# KiCad board volume-mixer.kicad_pcb
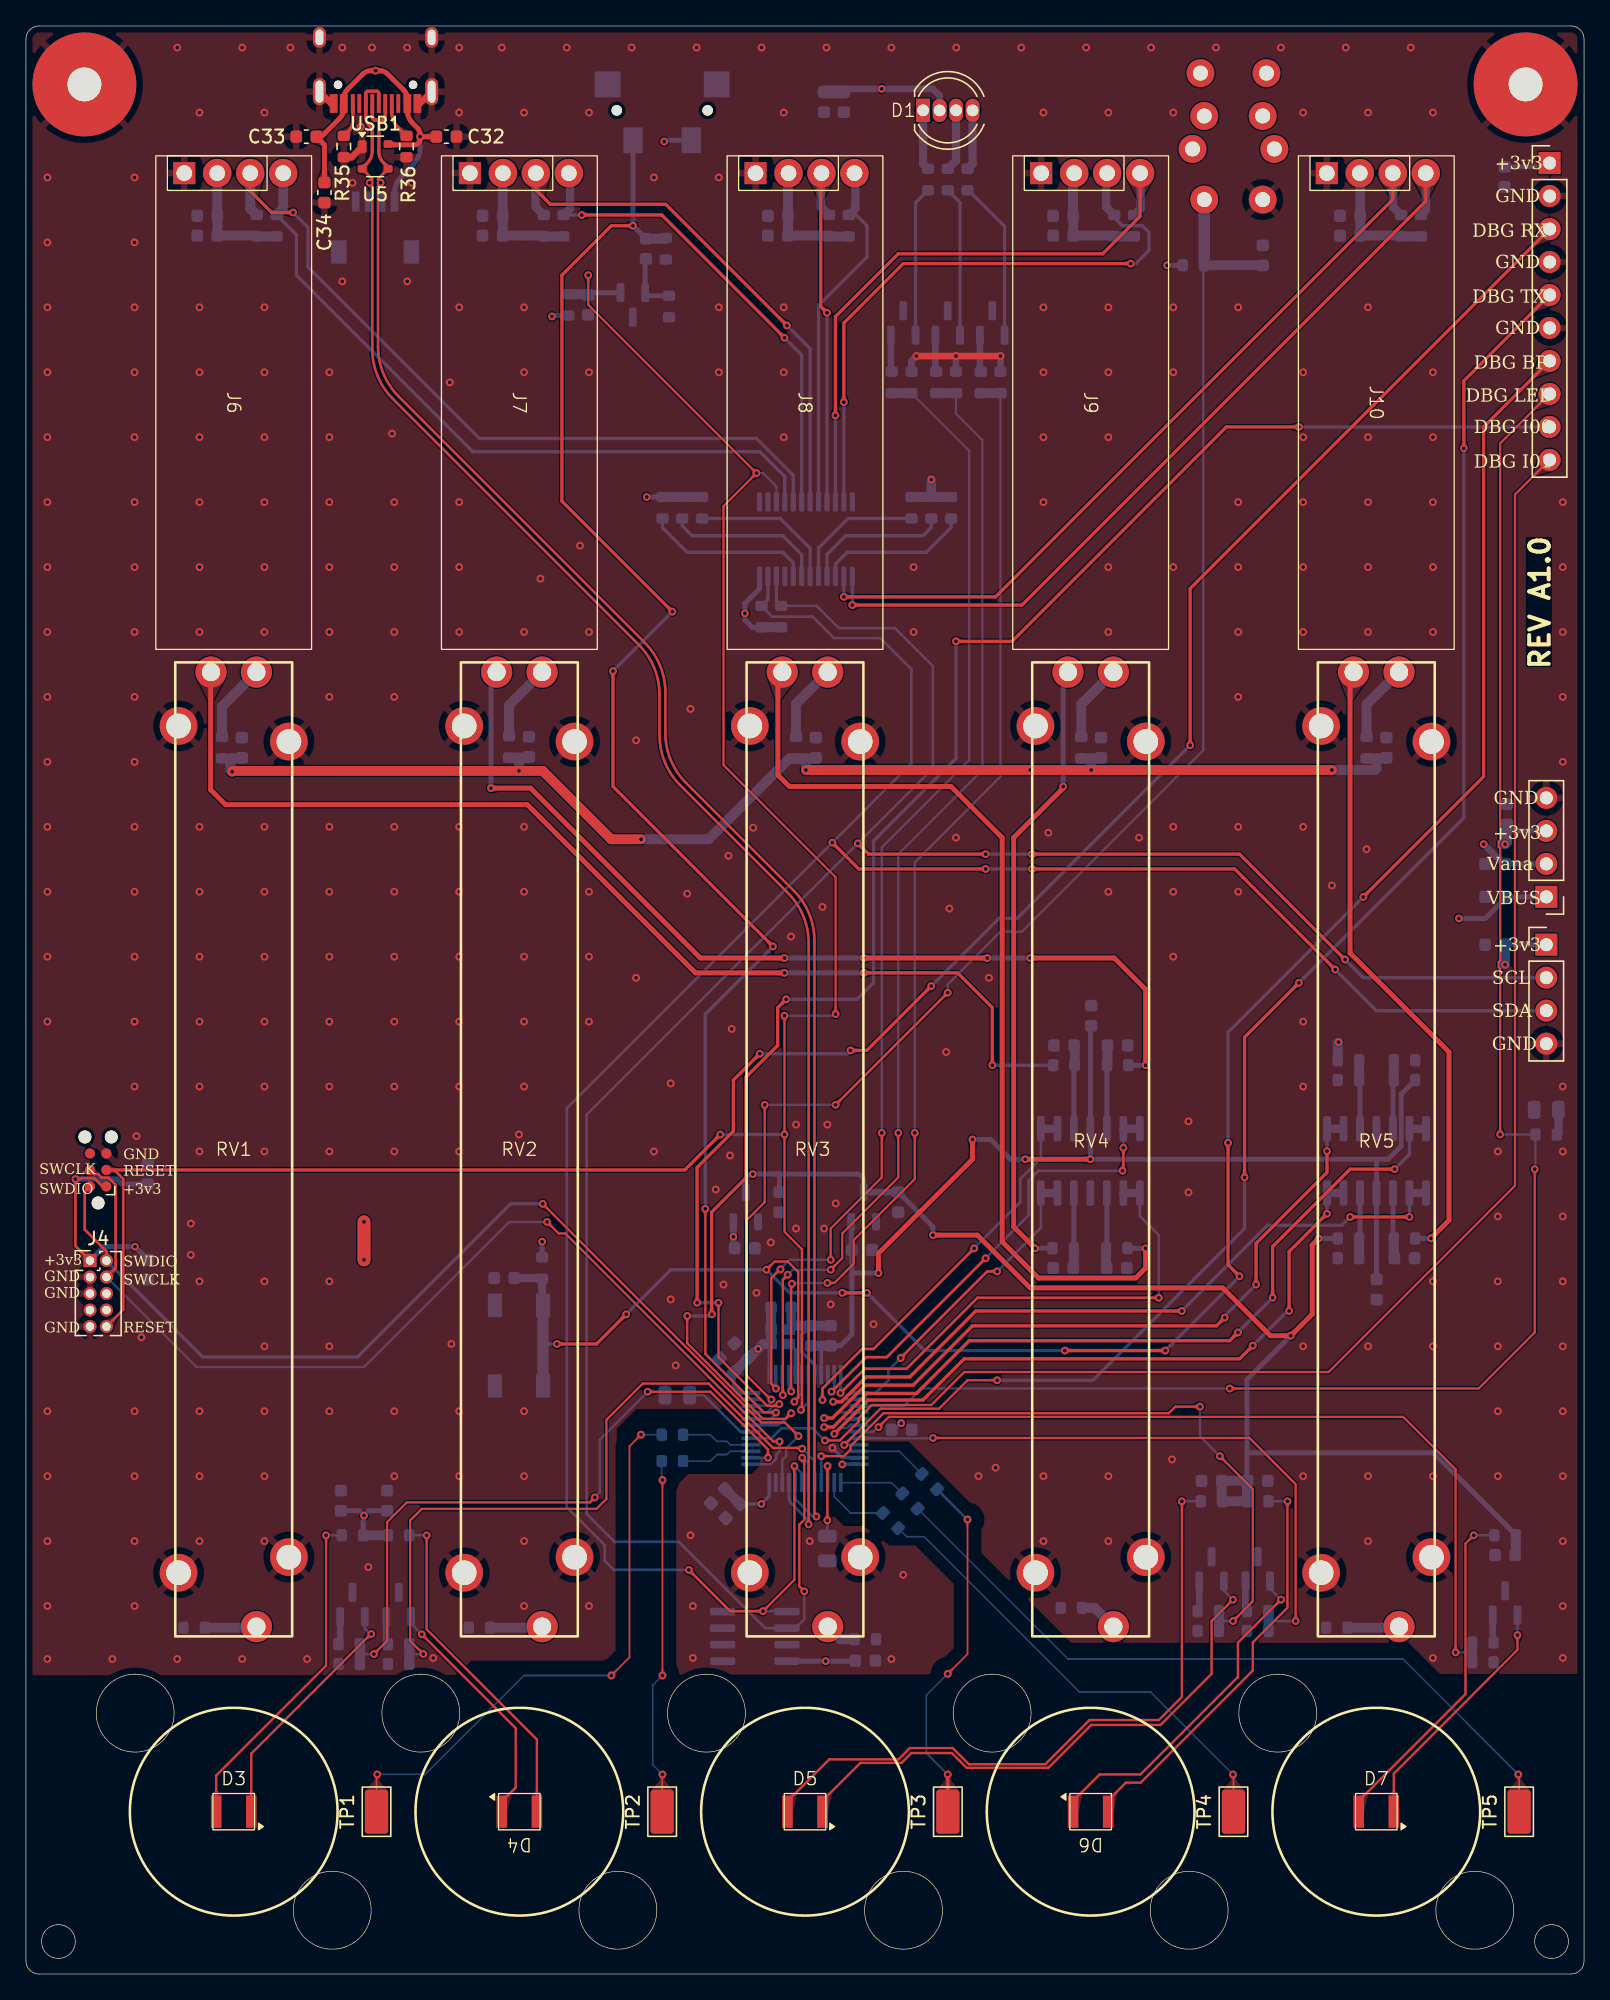
[diagram p0: board, top side]
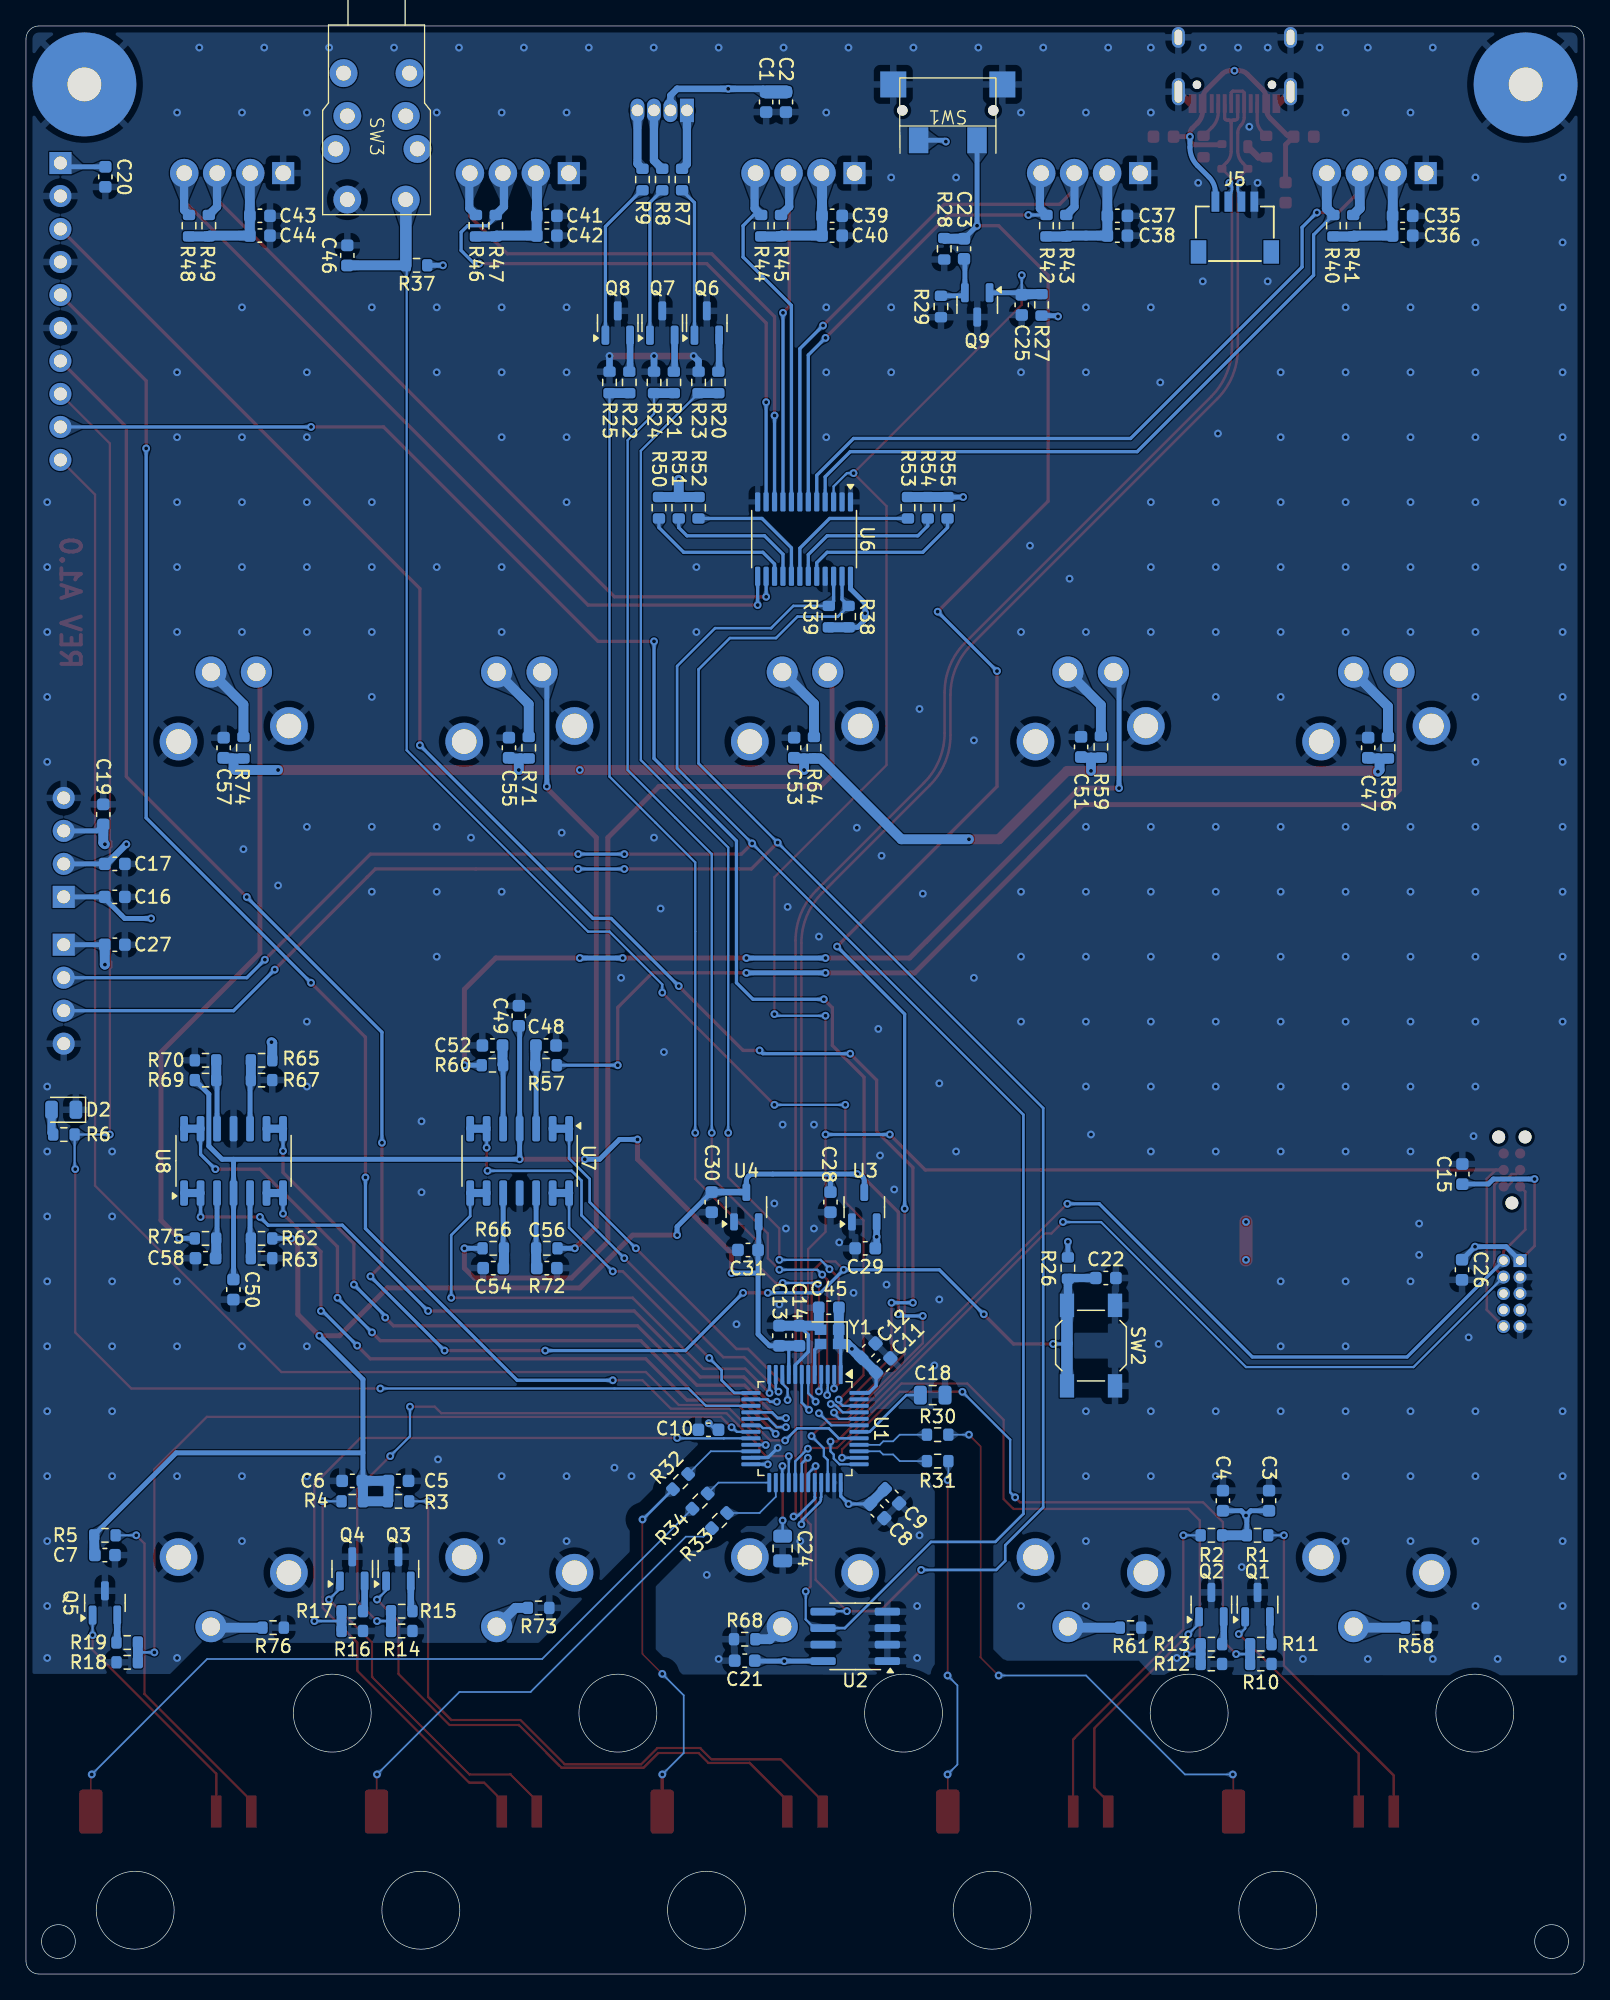
[diagram p1: board, bottom side, seen from below]

Outline 120 x 150 mm; copper layers: Top, In1.Cu, In2.Cu, Bottom. Coordinates in mm from the lower left corner of the outline.
Outline path: circle c2.5,2.5 r1.3 ; circle c8.41,20.09 r3 ; circle c23.59,4.91 r3 ; circle c30.41,20.09 r3 ; circle c45.59,4.91 r3 ; circle c52.41,20.09 r3 ; circle c67.59,4.91 r3 ; circle c74.41,20.09 r3 ; circle c89.59,4.91 r3 ; circle c96.41,20.09 r3 ; circle c111.59,4.91 r3 ; circle c117.5,2.5 r1.3 ; 0,149 arc(0.29,149.71) 1,150 119,150 arc(119.71,149.71) 120,149 120,1 arc(119.71,0.29) 119,0 1,0 arc(0.29,0.29) 0,1 0,149
Stack: Top 0.035mm / dielectric 0.1mm FR4 er 4.5 / In1.Cu 0.035mm / dielectric 1.24mm FR4 er 4.5 / In2.Cu 0.035mm / dielectric 0.1mm FR4 er 4.5 / Bottom 0.035mm

## Placement (name value [footprint] x y rotation side)
C1  100nF  [C_0603_1608Metric]  62.99 144.15 270 bottom
C2  100nF  [C_0603_1608Metric]  61.47 144.15 270 bottom
C3  100nF  [C_0603_1608Metric]  24.26 36.45 90 bottom
C4  100nF  [C_0603_1608Metric]  27.81 36.45 90 bottom
C5  100nF  [C_0603_1608Metric]  91.31 37.97 180 bottom
C6  100nF  [C_0603_1608Metric]  94.87 37.97 0 bottom
C7  100nF  [C_0603_1608Metric]  113.92 32.26 180 bottom
C8  4,7uF  [C_0603_1608Metric]  54.44 35.65 225 bottom
C9  100nF  [C_0603_1608Metric]  53.3 36.79 225 bottom
C10  100nF  [C_0603_1608Metric]  67.44 41.91 0 bottom
C11  100nF  [C_0603_1608Metric]  53.97 46.86 135 bottom
C12  100nF  [C_0603_1608Metric]  55.12 48.01 135 bottom
C13  10nF  [C_0603_1608Metric]  61.98 49.15 90 bottom
C14  1uF  [C_0603_1608Metric]  60.45 49.15 90 bottom
C15  100nF  [C_0603_1608Metric]  9.37 61.59 90 bottom
C16  100nF  [C_0603_1608Metric]  113.16 82.94 180 bottom
C17  100nF  [C_0603_1608Metric]  113.16 85.48 180 bottom
C18  47nF NP0  [C_0805_2012Metric]  50.16 44.58 180 bottom
C19  100nF  [C_0603_1608Metric]  114.05 89.29 90 bottom
C20  100nF  [C_0603_1608Metric]  113.89 138.38 270 bottom
C21  100nF  [C_0603_1608Metric]  64.64 24.13 0 bottom
C22  100nF  [C_0603_1608Metric]  36.83 53.59 180 bottom
C23  4,7uF  [C_0603_1608Metric]  47.75 132.84 270 bottom
C24  47nF NP0  [C_0805_2012Metric]  61.72 32.77 270 bottom
C25  470nF  [C_0603_1608Metric]  43.31 128.52 270 bottom
C26  100nF  [C_0603_1608Metric]  9.4 54.23 270 bottom
C27  100nF  [C_0603_1608Metric]  113.16 79.26 180 bottom
C28  2,2uF  [C_0603_1608Metric]  58.04 59.44 270 bottom
C29  2,2uF  [C_0603_1608Metric]  55.36 55.88 0 bottom
C30  2,2uF  [C_0603_1608Metric]  67.18 59.44 270 bottom
C31  2,2uF  [C_0603_1608Metric]  64.39 55.75 0 bottom
C32  100nF  [C_0603_1608Metric]  32.38 141.48 0 top
C33  100nF  [C_0603_1608Metric]  21.59 141.48 180 top
C34  100nF  [C_0603_1608Metric]  22.99 137.17 270 top
C35  100nF  [C_0603_1608Metric]  13.97 135.38 180 bottom
C36  100nF  [C_0603_1608Metric]  13.97 133.86 180 bottom
C37  100nF  [C_0603_1608Metric]  35.94 135.38 180 bottom
C38  100nF  [C_0603_1608Metric]  35.94 133.86 180 bottom
C39  100nF  [C_0603_1608Metric]  57.91 135.38 180 bottom
C40  100nF  [C_0603_1608Metric]  57.91 133.86 180 bottom
C41  100nF  [C_0603_1608Metric]  79.88 135.38 180 bottom
C42  100nF  [C_0603_1608Metric]  79.88 133.86 180 bottom
C43  100nF  [C_0603_1608Metric]  101.98 135.38 180 bottom
C44  100nF  [C_0603_1608Metric]  101.98 133.86 180 bottom
C45  47nF  [C_0603_1608Metric]  58.17 51.31 180 bottom
C46  100nF  [C_0603_1608Metric]  95.25 132.33 90 bottom
C47  100nF  [C_0603_1608Metric]  16.62 94.42 90 bottom
C48  680nF  [C_0603_1608Metric]  79.95 71.5 180 bottom
C49  100nF  [C_0603_1608Metric]  82.04 73.79 90 bottom
C50  100nF  [C_0603_1608Metric]  104.03 52.71 270 bottom
C51  100nF  [C_0603_1608Metric]  38.73 94.49 90 bottom
C52  680nF  [C_0603_1608Metric]  84.07 71.5 0 bottom
C53  100nF  [C_0603_1608Metric]  60.83 94.42 90 bottom
C54  680nF  [C_0603_1608Metric]  84.01 54.36 0 bottom
C55  100nF  [C_0603_1608Metric]  82.8 94.42 90 bottom
C56  680nF  [C_0603_1608Metric]  79.88 54.36 180 bottom
C57  100nF  [C_0603_1608Metric]  104.77 94.42 90 bottom
C58  680nF  [C_0603_1608Metric]  106.17 55.12 0 bottom
CON1  TC2030-IDC  [Tag-Connect_TC2030-IDC-NL_2x03_P1.27mm_Vertical]  5.56 61.91 90 top
D1  LED_ARGB  [led rgb C7371893]  71 143.5 0 top
D2  LED  [LED_0805_2012Metric]  117.09 66.55 0 bottom
D3  LED  [LED C516299]  16 12.5 0 top
D4  LED  [LED C516299]  38 12.5 180 top
D5  LED  [LED C516299]  60 12.5 0 top
D6  LED  [LED C516299]  82 12.5 180 top
D7  LED  [LED C516299]  104 12.5 0 top
H1  MountingHole_Pad  [Vis M2.5]  115.5 145.5 0 top
H2  MountingHole_Pad  [Vis M2.5]  4.5 145.5 0 top
J1  Conn_01x04_Pin  [PinHeader_1x04_P2.54mm_Vertical]  117.09 82.94 180 top
J2  Conn_01x10_Pin  [PinHeader_1x10_P2.54mm_Vertical]  117.35 139.45 0 top
J3  Conn_01x04_Pin  [PinHeader_1x04_P2.54mm_Vertical]  117.09 79.26 0 top
J4  Conn_01x10_Pin  [PinHeader_2x05_P1.27mm_Vertical]  4.93 54.94 0 top
J5  JST  [JST-SR-4]  26.89 131.7 180 bottom
J6  Conn_01x04_Pin  [Screen 0.91 I2C]  16 138.67 270 top
J7  Conn_01x04_Pin  [Screen 0.91 I2C]  38 138.67 270 top
J8  Conn_01x04_Pin  [Screen 0.91 I2C]  60 138.67 270 top
J9  Conn_01x04_Pin  [Screen 0.91 I2C]  82 138.67 270 top
J10  Conn_01x04_Pin  [Screen 0.91 I2C]  104 138.67 270 top
Q1  NMOS  [SOT-23]  25.15 28.45 90 bottom
Q2  NMOS  [SOT-23]  28.7 28.45 90 bottom
Q3  NMOS  [SOT-23]  91.31 31.19 90 bottom
Q4  NMOS  [SOT-23]  94.87 31.19 90 bottom
Q5  NMOS  [SOT-23]  113.92 28.57 90 bottom
Q6  NMOS  [SOT-23]  67.56 127.13 90 bottom
Q7  NMOS  [SOT-23]  70.99 127.13 90 bottom
Q8  NMOS  [SOT-23]  74.42 127.13 90 bottom
Q9  NMOS  [SOT-23]  46.74 128.52 270 bottom
R1  100  [R_0603_1608Metric]  25.15 33.78 180 bottom
R2  100  [R_0603_1608Metric]  28.7 33.78 0 bottom
R3  100  [R_0603_1608Metric]  91.31 36.4 180 bottom
R4  100  [R_0603_1608Metric]  94.87 36.4 0 bottom
R5  100  [R_0603_1608Metric]  113.92 33.78 180 bottom
R6  1k2  [R_0603_1608Metric]  117.08 64.64 180 bottom
R7  150  [R_0603_1608Metric]  69.47 138.18 90 bottom
R8  95  [R_0603_1608Metric]  70.99 138.18 90 bottom
R9  95  [R_0603_1608Metric]  72.52 138.18 90 bottom
R10  10K  [R_0603_1608Metric]  24.89 23.88 0 bottom
R11  100  [R_0603_1608Metric]  24.89 25.4 180 bottom
R12  10K  [R_0603_1608Metric]  28.7 23.88 0 bottom
R13  100  [R_0603_1608Metric]  28.7 25.4 180 bottom
R14  10K  [R_0603_1608Metric]  91.06 26.42 0 bottom
R15  100  [R_0603_1608Metric]  91.06 27.94 180 bottom
R16  10K  [R_0603_1608Metric]  94.87 26.42 0 bottom
R17  100  [R_0603_1608Metric]  94.87 27.94 180 bottom
R18  10K  [R_0603_1608Metric]  112.2 24 180 bottom
R19  100  [R_0603_1608Metric]  112.2 25.53 0 bottom
R20  100  [R_0603_1608Metric]  66.67 122.56 90 bottom
R21  100  [R_0603_1608Metric]  70.1 122.56 90 bottom
R22  100  [R_0603_1608Metric]  73.53 122.56 90 bottom
R23  10K  [R_0603_1608Metric]  68.2 122.56 270 bottom
R24  10K  [R_0603_1608Metric]  71.63 122.56 270 bottom
R25  10K  [R_0603_1608Metric]  75.06 122.56 270 bottom
R26  10k  [R_0603_1608Metric]  39.75 54.36 270 bottom
R27  10K  [R_0603_1608Metric]  41.78 128.52 90 bottom
R28  10K  [R_0603_1608Metric]  49.28 132.84 270 bottom
R29  100k  [R_0603_1608Metric]  49.53 128.4 270 bottom
R30  10k  [R_0603_1608Metric]  49.78 41.53 0 bottom
R31  10k  [R_0603_1608Metric]  49.78 39.5 0 bottom
R32  10k  [R_0603_1608Metric]  69.58 37.92 135 bottom
R33  10k  [R_0603_1608Metric]  66.58 34.92 135 bottom
R34  10k  [R_0603_1608Metric]  68.08 36.42 135 bottom
R35  5,1k  [R_0603_1608Metric]  24.48 140.72 270 top
R36  5,1k  [R_0603_1608Metric]  29.31 140.72 270 top
R37  10k  [R_0603_1608Metric]  89.92 131.57 0 bottom
R38  4,7K  [R_0603_1608Metric]  56.64 104.52 90 bottom
R39  4,7K  [R_0603_1608Metric]  58.17 104.52 90 bottom
R40  4,7K  [R_0603_1608Metric]  19.3 134.62 90 bottom
R41  4,7K  [R_0603_1608Metric]  17.78 134.62 90 bottom
R42  4,7K  [R_0603_1608Metric]  41.4 134.62 90 bottom
R43  4,7K  [R_0603_1608Metric]  39.88 134.62 90 bottom
R44  4,7K  [R_0603_1608Metric]  63.37 134.62 90 bottom
R45  4,7K  [R_0603_1608Metric]  61.85 134.62 90 bottom
R46  4,7K  [R_0603_1608Metric]  85.34 134.62 90 bottom
R47  4,7K  [R_0603_1608Metric]  83.82 134.62 90 bottom
R48  4,7K  [R_0603_1608Metric]  107.44 134.62 90 bottom
R49  4,7K  [R_0603_1608Metric]  105.92 134.62 90 bottom
R50  4,7K  [R_0603_1608Metric]  71.25 112.9 270 bottom
R51  4,7K  [R_0603_1608Metric]  69.72 112.9 270 bottom
R52  4,7K  [R_0603_1608Metric]  68.2 112.9 270 bottom
R53  4,7K  [R_0603_1608Metric]  52.07 112.9 270 bottom
R54  4,7K  [R_0603_1608Metric]  50.55 112.9 270 bottom
R55  4,7K  [R_0603_1608Metric]  49.02 112.9 270 bottom
R56  2K  [R_0603_1608Metric]  15.1 94.42 270 bottom
R57  20K  [R_0603_1608Metric]  79.95 69.98 0 bottom
R58  2K  [R_0603_1608Metric]  12.95 26.67 0 bottom
R59  2K  [R_0603_1608Metric]  37.21 94.49 270 bottom
R60  20K  [R_0603_1608Metric]  84.07 69.98 180 bottom
R61  2K  [R_0603_1608Metric]  34.92 26.67 0 bottom
R62  10k  [R_0603_1608Metric]  101.85 56.64 0 bottom
R63  10k  [R_0603_1608Metric]  101.85 55.12 180 bottom
R64  2K  [R_0603_1608Metric]  59.31 94.42 270 bottom
R65  10k  [R_0603_1608Metric]  101.85 70.36 0 bottom
R66  20K  [R_0603_1608Metric]  84.01 55.88 180 bottom
R67  10k  [R_0603_1608Metric]  101.85 68.83 180 bottom
R68  2K  [R_0603_1608Metric]  64.64 25.78 180 bottom
R69  10k  [R_0603_1608Metric]  106.17 68.83 180 bottom
R70  10k  [R_0603_1608Metric]  106.17 70.36 0 bottom
R71  2K  [R_0603_1608Metric]  81.28 94.42 270 bottom
R72  20K  [R_0603_1608Metric]  79.88 55.88 0 bottom
R73  2K  [R_0603_1608Metric]  80.52 28.19 0 bottom
R74  2K  [R_0603_1608Metric]  103.25 94.42 270 bottom
R75  20K  [R_0603_1608Metric]  106.17 56.64 180 bottom
R76  2K  [R_0603_1608Metric]  100.96 26.67 0 bottom
RV1  PTA6043-2015CPB103  [Slider Bourns PTA6043-2015CPB103]  16 63.5 270 top
RV2  PTA6043-2015CPB103  [Slider Bourns PTA6043-2015CPB103]  38 63.5 270 top
RV3  PTA6043-2015CPB103  [Slider Bourns PTA6043-2015CPB103]  60 63.5 270 top
RV4  PTA6043-2015CPB103  [Slider Bourns PTA6043-2015CPB103]  82 63.5 270 top
RV5  PTA6043-2015CPB103  [Slider Bourns PTA6043-2015CPB103]  104 63.5 270 top
SW1  ~  [switch C501547]  49 143.5 0 bottom
SW2  SW_Push  [SW_SPST_SKQG_WithStem]  37.97 48.39 270 bottom
SW3  ~  [switch led C2848638]  93 141.5 0 bottom
TP1  TestPoint_Flag  [TestPoint_Keystone_5015_Micro_Mini]  27 12.5 90 top
TP2  TestPoint_Flag  [TestPoint_Keystone_5015_Micro_Mini]  49 12.5 90 top
TP3  TestPoint_Flag  [TestPoint_Keystone_5015_Micro_Mini]  71 12.5 90 top
TP4  TestPoint_Flag  [TestPoint_Keystone_5015_Micro_Mini]  93 12.5 90 top
TP5  TestPoint_Flag  [TestPoint_Keystone_5015_Micro_Mini]  115 12.5 90 top
U1  STM32F302C8Tx  [LQFP-48_7x7mm_P0.5mm]  60 42 270 bottom
U2  24LC64  [SOIC-8_3.9x4.9mm_P1.27mm]  56.13 26 0 bottom
U3  XC6206PxxxMR  [SOT-23-3]  55.43 59.05 90 bottom
U4  XC6206PxxxMR  [SOT-23-3]  64.52 59.06 90 bottom
U5  PRTR5V0U2X  [SOT-143]  26.89 139.95 0 top
U6  TCA9548APWR  [TSSOP-24_4.4x7.8mm_P0.65mm]  60.07 110.49 270 bottom
U7  TL084  [SOIC-14_3.9x8.7mm_P1.27mm]  81.98 62.61 270 bottom
U8  TL084  [SOIC-14_3.9x8.7mm_P1.27mm]  104.01 62.61 90 bottom
USB1  -  [HRO-TYPE-C-31-M-12]  26.92 151.72 180 top
Y1  8MHz  [Crystal_SMD_2016-4Pin_2.0x1.6mm]  58.1 49.06 0 bottom

## Library data of the parts
C1-C7 C9-C12 C15-C17 C19-C22 C26 C27 C32-C44 C46 C47 C49-C51 C53 C55 C57 = -: Description: Unpolarized capacitor, small symbol; LCSC: C14663; ki_fp_filters: C_*
C8 C23 = -: Description: Unpolarized capacitor, small symbol; LCSC: C1705; ki_fp_filters: C_*
C13 = -: Description: Unpolarized capacitor, small symbol; LCSC: C100042; ki_fp_filters: C_*
C14 = -: Description: Unpolarized capacitor, small symbol; LCSC: C15849; ki_fp_filters: C_*
C18 C24 = -: Description: Unpolarized capacitor, small symbol; LCSC: C2182212; ki_fp_filters: C_*
C25 = -: Description: Unpolarized capacitor, small symbol; LCSC: C1623; ki_fp_filters: C_*
C28-C31 = -: Description: Unpolarized capacitor, small symbol; LCSC: C57895; ki_fp_filters: C_*
C45 = -: Description: Unpolarized capacitor, small symbol; LCSC: C107093; ki_fp_filters: C_*
C48 C52 C54 C56 C58 = -: Description: Unpolarized capacitor, small symbol; LCSC: C5360852; ki_fp_filters: C_*
CON1 = -: Datasheet: https://www.tag-connect.com/wp-content/uploads/bsk-pdf-manager/TC2030-CTX_1.pdf; Description: Tag-Connect ARM Cortex SWD JTAG connector, 6 pin, no legs; ki_fp_filters: *TC2030*
D1 = -: Description: RGB LED, anode/red/green/blue; LCSC: C7371893; ki_fp_filters: LED* LED_SMD:* LED_THT:*
D2 = -: Description: Light emitting diode; Sim.Pins: 1=K 2=A; LCSC: C965812; ki_fp_filters: LED* LED_SMD:* LED_THT:*
D3-D7 = -: Description: Light emitting diode; Sim.Pins: 1=K 2=A; LCSC: C516299; ki_fp_filters: LED* LED_SMD:* LED_THT:*
H1 H2 = -: Description: Mounting Hole with connection; ki_fp_filters: MountingHole*Pad*
J1 J3 J6-J10 = -: Description: Generic connector, single row, 01x04, script generated; ki_fp_filters: Connector*:*_1x??_*
J2 J4 = -: Description: Generic connector, single row, 01x10, script generated; ki_fp_filters: Connector*:*_1x??_*
J5 = -: Description: Generic connector, single row, 01x04, script generated; LCSC: C160404; ki_fp_filters: Connector*:*_1x??_*
Q1-Q9 = -: Datasheet: https://ngspice.sourceforge.io/docs/ngspice-html-manual/manual.xhtml#cha_MOSFETs; Description: N-MOSFET transistor, drain/source/gate; Sim.Type: VDMOS; Sim.Pins: 1=D 2=G 3=S; LCSC: C15310
R1-R5 R11 R13 R15 R17 R19-R22 = -: Description: Resistor, small symbol; LCSC: C105588; ki_fp_filters: R_*
R6 = -: Description: Resistor, small symbol; LCSC: C22548; ki_fp_filters: R_*
R7 = -: Description: Resistor, small symbol; LCSC: C114608; ki_fp_filters: R_*
R8 R9 = -: Description: Resistor, small symbol; LCSC: C2984377; ki_fp_filters: R_*
R10 R12 R14 R16 R18 R23-R28 R30-R34 R37 R62 R63 R65 R67 R69 R70 = -: Description: Resistor, small symbol; LCSC: C98220; ki_fp_filters: R_*
R29 = -: Description: Resistor, small symbol; LCSC: C14675; ki_fp_filters: R_*
R35 R36 = -: Description: Resistor, small symbol; LCSC: C105580; ki_fp_filters: R_*
R38-R55 = -: Description: Resistor, small symbol; LCSC: C99782; ki_fp_filters: R_*
R56 R58 R59 R61 R64 R68 R71 R73 R74 R76 = -: Description: Resistor, small symbol; LCSC: C2907137; ki_fp_filters: R_*
R57 R60 R66 R72 R75 = -: Description: Resistor, small symbol; LCSC: C2907011; ki_fp_filters: R_*
RV1-RV5 = -: Datasheet: https://lcsc.com/product-detail/Potentiometers-Variable-Resistors_BOURNS-PTA6043-2015CPB103_C17203852.html?s_z=n_PTA60; Description: potentiometer; LCSC: C17203852; ki_fp_filters: potentiometer
SW1 = -: LCSC: C501547
SW2 = -: Description: Push button switch, generic, two pins; LCSC: C115351
SW3 = -: Datasheet: https://www.lcsc.com/datasheet/lcsc_datasheet_2412261153_Korean-Hroparts-Elec-K6-6156F-02_C2848638.pdf; Description: https://www.lcsc.com/product-detail/Tactile-Switches_Korean-Hroparts-Elec-K6-6156F-02_C2848638.html; LCSC: C2848638
TP1-TP5 = -: Description: test point (alternative flag-style design); ki_fp_filters: Pin* Test*
U1 = -: Datasheet: https://www.st.com/resource/en/datasheet/stm32f302c8.pdf; Description: STMicroelectronics Arm Cortex-M4 MCU, 64KB flash, 16KB RAM, 72 MHz, 2.0-3.6V, 37 GPIO, LQFP48; LCSC: C90795; ki_fp_filters: LQFP*7x7mm*P0.5mm*
U2 = -: Datasheet: http://ww1.microchip.com/downloads/en/DeviceDoc/21189f.pdf; Description: I2C Serial EEPROM, 64Kb, DIP-8/SOIC-8/TSSOP-8/DFN-8; LCSC: C5460; ki_fp_filters: DIP*W7.62mm* SOIC*3.9x4.9mm* TSSOP*4.4x3mm*P0.65mm* DFN*3x2mm*P0.5mm*
U3 U4 = -: Datasheet: https://www.torexsemi.com/file/xc6206/XC6206.pdf; Description: Positive 60-250mA Low Dropout Regulator, Fixed Output, SOT-23; LCSC: C5446; ki_fp_filters: SOT?23?3*
U5 = -: LCSC: C5158049
U6 = -: Datasheet: http://www.ti.com/lit/ds/symlink/tca9548a.pdf; Description: Low voltage 8-channel I2C switch with reset, TSSOP-24; LCSC: C130026; ki_fp_filters: TSSOP*4.4x7.8mm*P0.65mm*
U7 U8 = -: Datasheet: http://www.ti.com/lit/ds/symlink/tl081.pdf; Description: Quad JFET-Input Operational Amplifiers, DIP-14/SOIC-14/SSOP-14; LCSC: C11130; ki_fp_filters: SOIC*3.9x8.7mm*P1.27mm* DIP*W7.62mm* TSSOP*4.4x5mm*P0.65mm* SSOP*5.3x6.2mm*P0.65mm* MSOP*3x3mm*P0.5mm*
USB1 = -: LCSC: C165948
Y1 = -: Description: Four pin crystal, GND on pins 2 and 4, small symbol; LCSC: C881716; ki_fp_filters: Crystal*

## Footprints (pads in the part's own frame, mm; a bottom-side part is the same pattern mirrored in y, then rotated)
C_0603_1608Metric
  rrect 0.9x0.95 smd: 1(-0.775,0) 2(0.775,0)
C_0805_2012Metric
  rrect 1x1.45 smd: 1(-0.95,0) 2(0.95,0)
Crystal_SMD_2016-4Pin_2.0x1.6mm
  rect 0.9x0.8 smd: 1(-0.7,-0.55) 2(0.7,-0.55) 3(0.7,0.55) 4(-0.7,0.55)
HRO-TYPE-C-31-M-12
  round 0.65 hole 0.65 unplated: (-2.89,6.25) (2.89,6.25)
  rect 0.6x1.45 smd: 1(-3.225,7.695) 2(-2.45,7.695) 11(2.45,7.695) 12(3.225,7.695)
  rect 0.3x1.45 smd: 3(-1.75,7.695) 4(-1.25,7.695) 5(-0.75,7.695) 6(-0.25,7.695) 7(0.25,7.695) 8(0.75,7.695) 9(1.25,7.695) 10(1.75,7.695)
  oval 1x2.1 hole 0.6x1.7: 13(-4.32,6.78) 13(4.32,6.78)
  oval 1x1.6 hole 0.6x1.2: 13(-4.32,2.6) 13(4.32,2.6)
JST-SR-4
  rect 1.2x1.8 smd: (-2.8,0.9) (2.8,0.9)
  rect 0.6x1.55 smd: 1(-1.5,4.775) 2(-0.5,4.775) 3(0.5,4.775) 4(1.5,4.775)